# Altium PCB AL1000.PcbDoc (part 4 of 8) (continued)
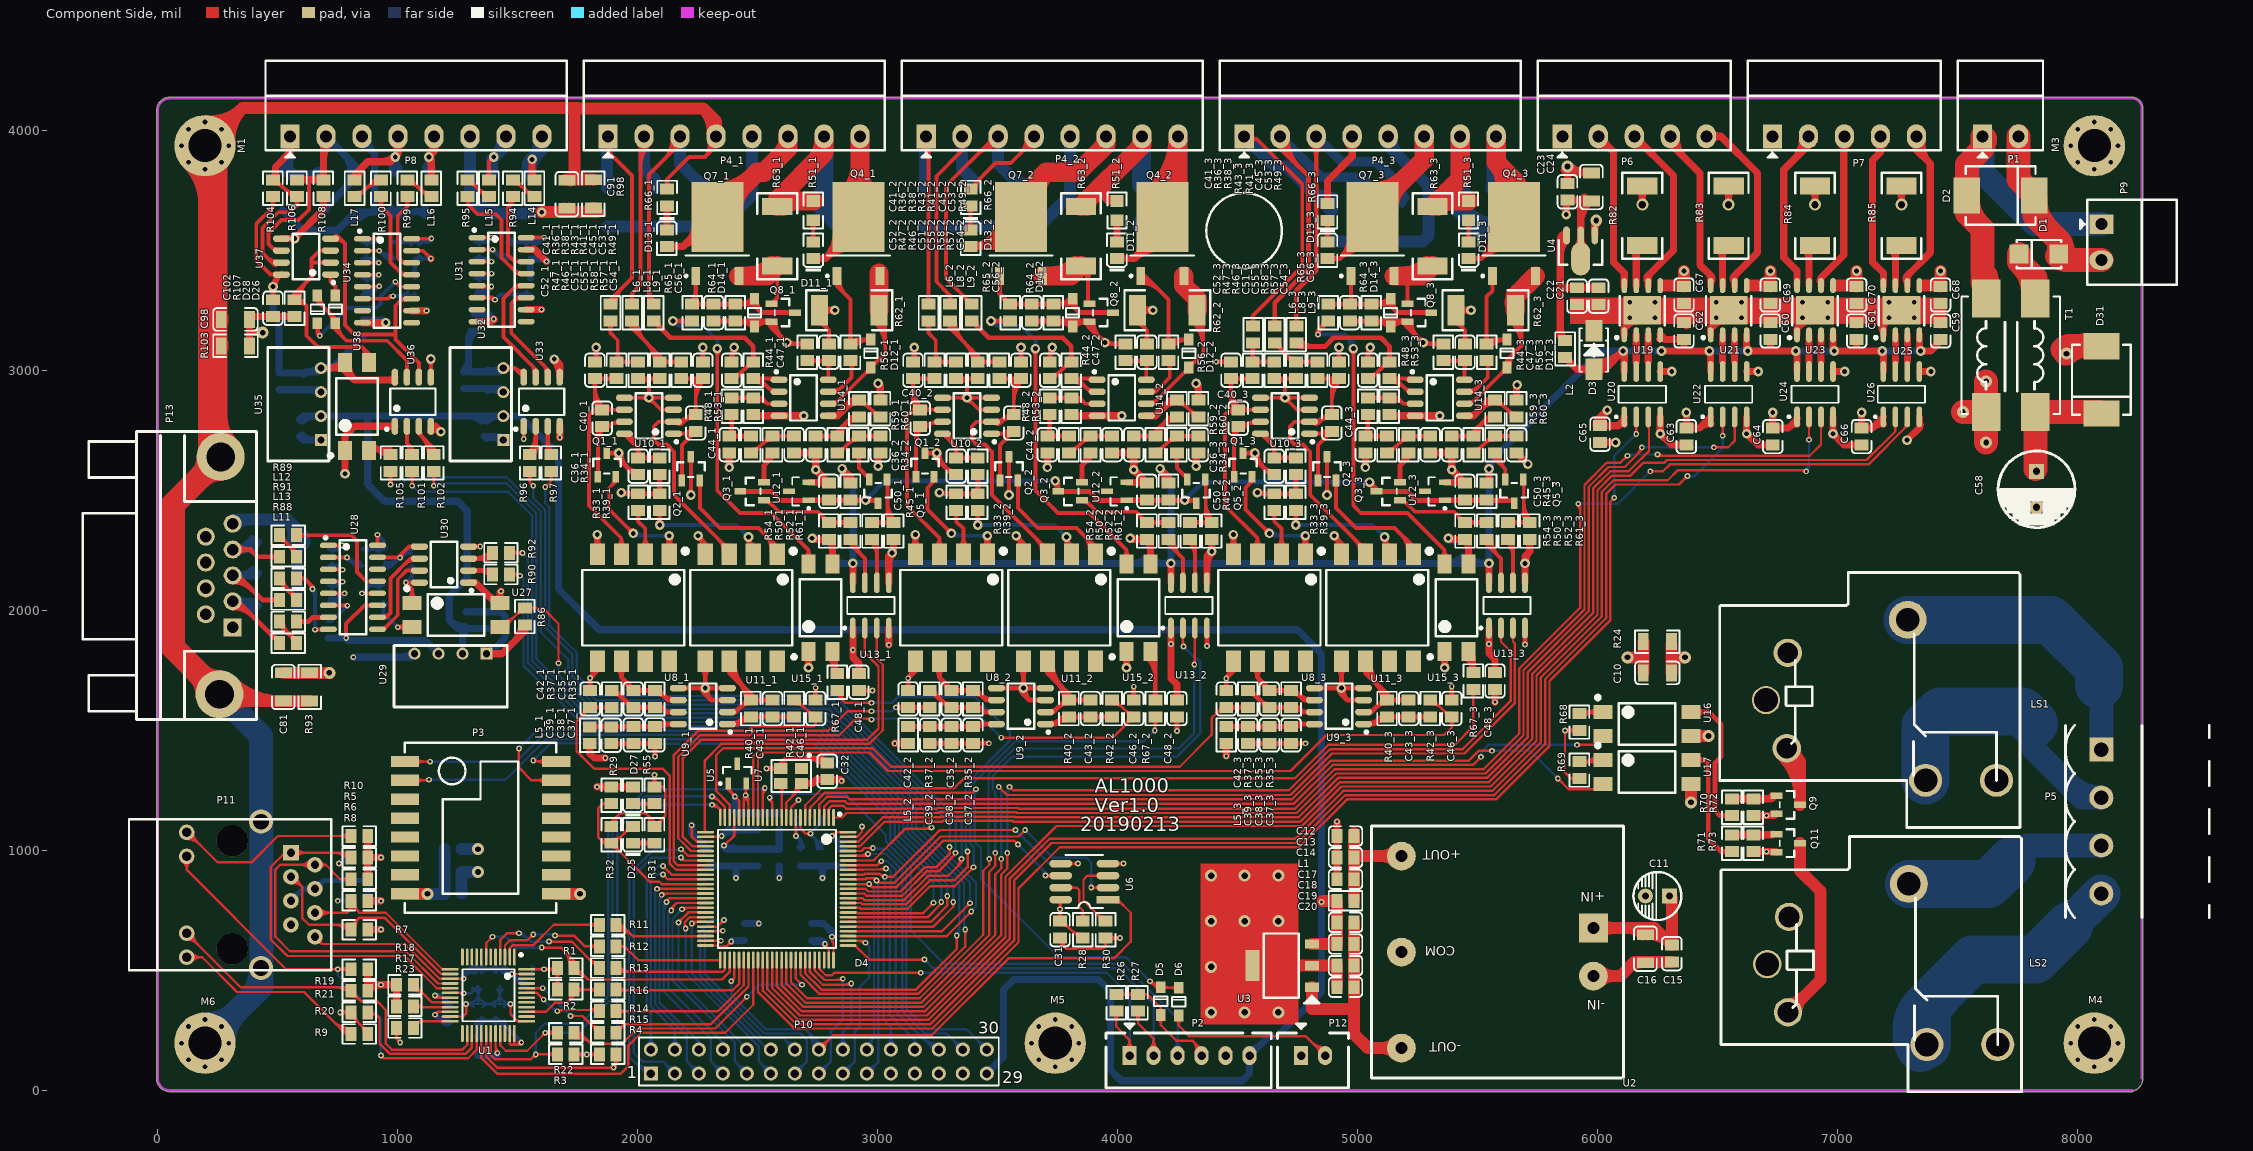
[diagram p0: Component Side view]
## Nets (pads, with @x,y where several pads share a name; then routed paths per layer and width w, separated by ;. In a path a pad name is that pad's centre, name@x,y a point inside that pad or via, vN(x,y) a via of type N, cw(c..) or ccw(c..) an arc to the next point about the centre after c; other vN are vias at no path point) (continued)
NetC44_1_1: C44_1.1 C45_1.2 R41_1.1 U10_1.2 U11_1.3 | length 1881.3
  Component Side w16: 2113.43,2786.42 cw(c2113.43,2772.33) U10_1.2@2123.39,2782.29 ; 2113.62,2786.42 ccw(c2113.62,2800.24) U10_1.2@2123.39,2790.46 ; U10_1.2@2170.79,2776.16 ccw(c2170.79,2802.14) 2189.16,2783.77 ; U10_1.2@2170.79,2792.16 ccw(c2170.79,2856.77) C44_1.1@2216.48,2811.08 ; U10_1.2@2174.87,2782.29 cw(c2184.74,2772.43) 2184.74,2786.38 cw(c2184.74,2800.33) U10_1.2@2174.87,2790.46 ; R41_1.1@2181.77,2966.38 2236.77,2966.38 ; 2191.85,2796.86 cw(c2218.19,2751.24) C44_1.1@2231.83,2802.13 ; R41_1.1@2198.36,2955.89 cw(c2223.69,2930.56) 2223.69,2966.38 cw(c2223.69,3002.19) R41_1.1@2198.36,2976.87 ; 2212.52,2808.8 ccw(c2203.05,2825.2) C44_1.1@2221.34,2820.3 ; C44_1.1@2231.28,2826.95 ccw(c2205.96,2852.27) 2241.77,2852.27 ccw(c2277.59,2852.27) C44_1.1@2252.26,2826.95 ; C44_1.1@2234.28,2801.69 ccw(c2229.3,2748.86) 2191.77,2786.38 ; 2241.77,2872.87 cw(c2359.18,2872.87) C45_1.2@2276.16,2955.89 ; 2241.77,2911.5 cw(c2320.55,2911.5) C45_1.2@2264.85,2967.2 ; 2241.77,2950.13 cw(c2281.92,2950.13) C45_1.2@2253.53,2978.52 ; C45_1.2@2255.18,2955.89 ccw(c2229.86,2930.56) 2229.86,2966.38 ccw(c2229.86,3002.19) C45_1.2@2255.18,2976.87 ; C45_1.2@2271.77,2966.38 2236.77,2966.38 ; 2339.02,2294.13 cw(c2292.52,2247.64) U11_1.3@2358.28,2247.64 ; 2348.05,2285.1 ccw(c2381.77,2318.83) U11_1.3@2381.77,2271.13 ; U11_1.3@2381.77,2233.86 U11_1.3@2381.77,2251.38 ; U11_1.3@2381.77,2271.38 U11_1.3@2381.77,2251.38 ; 2191.77,2786.38 2221.85,2816.46 C44_1.1@2241.77,2816.46 2241.77,2961.38 2236.77,2966.38 ; 2191.77,2786.38 U10_1.2@2149.13,2786.38 2149.09,2786.42 2086.81,2786.42 2066.77,2766.38 2066.77,2711.38 2086.77,2691.38 2121.77,2691.38 2151.77,2661.38 2151.77,2481.38 U11_1.3@2381.77,2251.38 ; 2236.77,2966.38 cw(c2236.77,2945.65) 2253.61,2957.73 ccw(c2236.77,2945.65) 2236.77,2966.38 ; 2236.77,2966.38 ccw(c2236.77,2987.1) 2253.61,2975.02 cw(c2236.77,2987.1) 2236.77,2966.38
NetC44_1_2: C44_1.2 Q2_1.1 U10_1.1 | length 505.2
  Component Side w16: U10_1.1@2134.13,2736.42 U10_1.1@2149.13,2736.42 ; U10_1.1@2149.13,2736.38 C44_1.2@2231.77,2736.38 ; U10_1.1@2174.87,2732.29 cw(c2184.74,2722.43) 2184.74,2736.38 cw(c2184.74,2750.33) U10_1.1@2174.87,2740.46 ; U10_1.1@2175.71,2736.38 ccw(c2175.71,2806.33) C44_1.2@2225.18,2756.87 ; Q2_1.1@2180.28,2557.12 ccw(c2170.42,2566.98) 2184.37,2566.98 ccw(c2198.32,2566.98) Q2_1.1@2188.46,2557.12 ; Q2_1.1@2184.37,2542.2 2184.37,2688.98 C44_1.2@2231.77,2736.38 ; 2206.03,2710.64 ccw(c2170.29,2746.38) C44_1.2@2220.83,2746.38 ; C44_1.2@2214.34,2736.38 ccw(c2214.34,2767.71) C44_1.2@2236.49,2745.55 ; C44_1.2@2220.76,2725.37 cw(c2235.67,2710.46) C44_1.2@2235.67,2731.54 ; C44_1.2@2241.77,2746.38 C44_1.2@2231.77,2736.38
NetC44_2_1: C44_2.1 C45_2.2 R41_2.1 U10_2.2 U11_2.3 | length 1881.3
  Component Side w16: 3439.02,2786.42 cw(c3439.02,2772.33) U10_2.2@3448.98,2782.29 ; 3439.21,2786.42 ccw(c3439.21,2800.24) U10_2.2@3448.98,2790.46 ; U10_2.2@3496.38,2776.16 ccw(c3496.38,2802.14) 3514.75,2783.77 ; U10_2.2@3496.38,2792.16 ccw(c3496.38,2856.77) C44_2.1@3542.07,2811.08 ; U10_2.2@3500.46,2782.29 cw(c3510.33,2772.43) 3510.33,2786.38 cw(c3510.33,2800.33) U10_2.2@3500.46,2790.46 ; R41_2.1@3507.36,2966.38 3562.36,2966.38 ; 3517.44,2796.86 cw(c3543.78,2751.24) C44_2.1@3557.42,2802.13 ; R41_2.1@3523.95,2955.89 cw(c3549.28,2930.56) 3549.28,2966.38 cw(c3549.28,3002.19) R41_2.1@3523.95,2976.87 ; 3538.11,2808.8 ccw(c3528.64,2825.2) C44_2.1@3546.93,2820.3 ; C44_2.1@3556.87,2826.95 ccw(c3531.55,2852.27) 3567.36,2852.27 ccw(c3603.18,2852.27) C44_2.1@3577.85,2826.95 ; C44_2.1@3559.87,2801.69 ccw(c3554.89,2748.86) 3517.36,2786.38 ; 3567.36,2872.87 cw(c3684.77,2872.87) C45_2.2@3601.75,2955.89 ; 3567.36,2911.5 cw(c3646.14,2911.5) C45_2.2@3590.44,2967.2 ; 3567.36,2950.13 cw(c3607.51,2950.13) C45_2.2@3579.12,2978.52 ; C45_2.2@3580.77,2955.89 ccw(c3555.45,2930.56) 3555.45,2966.38 ccw(c3555.45,3002.19) C45_2.2@3580.77,2976.87 ; C45_2.2@3597.36,2966.38 3562.36,2966.38 ; 3664.61,2294.13 cw(c3618.11,2247.64) U11_2.3@3683.87,2247.64 ; 3673.64,2285.1 ccw(c3707.36,2318.83) U11_2.3@3707.36,2271.13 ; U11_2.3@3707.36,2233.86 U11_2.3@3707.36,2251.38 ; U11_2.3@3707.36,2271.38 U11_2.3@3707.36,2251.38 ; 3517.36,2786.38 U10_2.2@3474.72,2786.38 3474.69,2786.42 3412.4,2786.42 3392.36,2766.38 3392.36,2711.38 3412.36,2691.38 3447.36,2691.38 3477.36,2661.38 3477.36,2481.38 U11_2.3@3707.36,2251.38 ; 3517.36,2786.38 3547.44,2816.46 C44_2.1@3567.36,2816.46 3567.36,2961.38 3562.36,2966.38 ; 3562.36,2966.38 cw(c3562.36,2945.65) 3579.21,2957.73 ccw(c3562.36,2945.65) 3562.36,2966.38 ; 3562.36,2966.38 ccw(c3562.36,2987.1) 3579.21,2975.02 cw(c3562.36,2987.1) 3562.36,2966.38
NetC44_2_2: C44_2.2 Q2_2.1 U10_2.1 | length 505.2
  Component Side w16: U10_2.1@3459.72,2736.42 U10_2.1@3474.72,2736.42 ; U10_2.1@3474.72,2736.38 C44_2.2@3557.36,2736.38 ; U10_2.1@3500.46,2732.29 cw(c3510.33,2722.43) 3510.33,2736.38 cw(c3510.33,2750.33) U10_2.1@3500.46,2740.46 ; U10_2.1@3501.3,2736.38 ccw(c3501.3,2806.33) C44_2.2@3550.77,2756.87 ; Q2_2.1@3505.87,2557.12 ccw(c3496.01,2566.98) 3509.96,2566.98 ccw(c3523.91,2566.98) Q2_2.1@3514.05,2557.12 ; Q2_2.1@3509.96,2542.2 3509.96,2688.98 C44_2.2@3557.36,2736.38 ; 3531.62,2710.64 ccw(c3495.88,2746.38) C44_2.2@3546.43,2746.38 ; C44_2.2@3539.93,2736.38 ccw(c3539.93,2767.71) C44_2.2@3562.08,2745.55 ; C44_2.2@3546.35,2725.37 cw(c3561.26,2710.46) C44_2.2@3561.26,2731.54 ; C44_2.2@3567.36,2746.38 C44_2.2@3557.36,2736.38
NetC44_3_1: C44_3.1 C45_3.2 R41_3.1 U10_3.2 U11_3.3 | length 1881.3
  Component Side w16: 4764.61,2786.42 cw(c4764.61,2772.33) U10_3.2@4774.57,2782.29 ; 4764.8,2786.42 ccw(c4764.8,2800.24) U10_3.2@4774.57,2790.46 ; U10_3.2@4821.97,2776.16 ccw(c4821.97,2802.14) 4840.34,2783.77 ; U10_3.2@4821.97,2792.16 ccw(c4821.97,2856.77) C44_3.1@4867.66,2811.08 ; U10_3.2@4826.06,2782.29 cw(c4835.92,2772.43) 4835.92,2786.38 cw(c4835.92,2800.33) U10_3.2@4826.06,2790.46 ; R41_3.1@4832.95,2966.38 4887.95,2966.38 ; 4843.03,2796.86 cw(c4869.37,2751.24) C44_3.1@4883.01,2802.13 ; R41_3.1@4849.54,2955.89 cw(c4874.87,2930.56) 4874.87,2966.38 cw(c4874.87,3002.19) R41_3.1@4849.54,2976.87 ; 4863.7,2808.8 ccw(c4854.23,2825.2) C44_3.1@4872.52,2820.3 ; C44_3.1@4882.46,2826.95 ccw(c4857.14,2852.27) 4892.95,2852.27 ccw(c4928.77,2852.27) C44_3.1@4903.44,2826.95 ; C44_3.1@4885.46,2801.69 ccw(c4880.48,2748.86) 4842.95,2786.38 ; 4892.95,2872.87 cw(c5010.36,2872.87) C45_3.2@4927.34,2955.89 ; 4892.95,2911.5 cw(c4971.73,2911.5) C45_3.2@4916.03,2967.2 ; 4892.95,2950.13 cw(c4933.1,2950.13) C45_3.2@4904.71,2978.52 ; C45_3.2@4906.36,2955.89 ccw(c4881.04,2930.56) 4881.04,2966.38 ccw(c4881.04,3002.19) C45_3.2@4906.36,2976.87 ; C45_3.2@4922.95,2966.38 4887.95,2966.38 ; 4990.2,2294.13 cw(c4943.7,2247.64) U11_3.3@5009.46,2247.64 ; 4999.23,2285.1 ccw(c5032.95,2318.83) U11_3.3@5032.95,2271.13 ; U11_3.3@5032.95,2233.86 U11_3.3@5032.95,2251.38 ; U11_3.3@5032.95,2271.38 U11_3.3@5032.95,2251.38 ; 4842.95,2786.38 U10_3.2@4800.32,2786.38 4800.28,2786.42 4737.99,2786.42 4717.95,2766.38 4717.95,2711.38 4737.95,2691.38 4772.95,2691.38 4802.95,2661.38 4802.95,2481.38 U11_3.3@5032.95,2251.38 ; 4842.95,2786.38 4873.03,2816.46 C44_3.1@4892.95,2816.46 4892.95,2961.38 4887.95,2966.38 ; 4887.95,2966.38 cw(c4887.95,2945.65) 4904.8,2957.73 ccw(c4887.95,2945.65) 4887.95,2966.38 ; 4887.95,2966.38 ccw(c4887.95,2987.1) 4904.8,2975.02 cw(c4887.95,2987.1) 4887.95,2966.38
NetC44_3_2: C44_3.2 Q2_3.1 U10_3.1 | length 505.2
  Component Side w16: U10_3.1@4785.32,2736.42 U10_3.1@4800.32,2736.42 ; U10_3.1@4800.32,2736.38 C44_3.2@4882.95,2736.38 ; U10_3.1@4826.06,2732.29 cw(c4835.92,2722.43) 4835.92,2736.38 cw(c4835.92,2750.33) U10_3.1@4826.06,2740.46 ; U10_3.1@4826.89,2736.38 ccw(c4826.89,2806.33) C44_3.2@4876.36,2756.87 ; Q2_3.1@4831.46,2557.12 ccw(c4821.6,2566.98) 4835.55,2566.98 ccw(c4849.5,2566.98) Q2_3.1@4839.64,2557.12 ; Q2_3.1@4835.55,2542.2 4835.55,2688.98 C44_3.2@4882.95,2736.38 ; 4857.21,2710.64 ccw(c4821.47,2746.38) C44_3.2@4872.02,2746.38 ; C44_3.2@4865.52,2736.38 ccw(c4865.52,2767.71) C44_3.2@4887.67,2745.55 ; C44_3.2@4871.94,2725.37 cw(c4886.85,2710.46) C44_3.2@4886.85,2731.54 ; C44_3.2@4892.95,2746.38 C44_3.2@4882.95,2736.38
NetC46_2_2: C46_2.2 D4.29 R42_2.2 | length 2939.1
  Component Side w10: D4.29@2282.76,1017.17 2228.29,1017.17 2223,1022.46 2223,1022.81 2197.81,1048 2197.46,1048 2187,1058.46 2187,1382.46 2266.54,1462 2474.82,1462 2492.82,1480 2840,1480 2910,1550 2970,1550 v1(2975,1545) ; 2946.03,1550 cw(c2946.03,1516.03) v1@2970.05,1540.05 ; v1(3515,1470) 3980.98,1470 C46_2.2@4067.36,1556.38 4059.67,1556.38 3989.59,1626.46 R42_2.2@3977.36,1626.46 ; v1@3519.95,1465.05 cw(c3531.9,1453.1) 3531.9,1470 cw(c3531.9,1486.9) v1@3519.95,1474.95 ; R42_2.2@3983.46,1608.62 cw(c3983.46,1550.78) 4024.37,1591.68 ; R42_2.2@3983.46,1618.62 cw(c3983.46,1584.92) 4007.3,1608.75 ; R42_2.2@4001.3,1626.46 ccw(c4029.57,1626.46) 4009.58,1606.47 ; 4026.5,1515.52 ccw(c3985.64,1556.38) 4043.43,1556.38 ccw(c4004.21,1556.38) 4031.94,1584.11 ; 4028.1,1587.95 ccw(c4061.26,1621.11) C46_2.2@4061.26,1574.21 ; 4041.23,1530.25 cw(c4061.26,1510.22) C46_2.2@4061.26,1538.54 ; 4043.57,1532.59 ccw(c4019.78,1556.38) C46_2.2@4053.43,1556.38
  Solder Side w10: v1@2975,1550 3435,1550 v1(3515,1470) ; v1@2979.95,1540.05 cw(c3003.97,1516.03) 3003.97,1550 ; v1@3508,1470 ccw(c3491.1,1470) 3503.05,1481.95 ccw(c3515,1493.9) v1@3515,1477
NetC47_1_2: C47_1.2 R44_1.2 U14_1.8 | length 370.2
  Component Side w16: R44_1.2@2696.77,3041.34 R44_1.2@2706.77,3041.34 2709.13,3038.98 C47_1.2@2794.13,3038.98 ; R44_1.2@2723.36,3030.85 cw(c2742.99,3011.23) 2742.99,3038.98 ; R44_1.2@2723.36,3051.83 ccw(c2754.39,3082.86) 2754.39,3038.98 ; 2749.15,3038.98 ccw(c2749.15,3082.86) C47_1.2@2780.18,3051.83 ; 2760.56,3038.98 cw(c2760.56,3011.23) C47_1.2@2780.18,3030.85 ; C47_1.2@2786.28,3030.85 cw(c2767.33,3011.89) 2794.13,3011.89 ; U14_1.8@2790.05,2965.46 ccw(c2780.18,2975.33) 2794.13,2975.33 ccw(c2808.09,2975.33) U14_1.8@2798.22,2965.46 ; U14_1.8@2794.13,2961.38 C47_1.2@2794.13,3038.98 ; 2794.13,2999.16 cw(c2838.95,2999.16) C47_1.2@2807.26,3030.85 ; C47_1.2@2796.77,3041.34 2794.41,3038.98 C47_1.2@2794.13,3038.98
NetC47_2_2: C47_2.2 R44_2.2 U14_2.8 | length 370.2
  Component Side w16: R44_2.2@4022.36,3041.34 R44_2.2@4032.36,3041.34 4034.72,3038.98 C47_2.2@4119.72,3038.98 ; R44_2.2@4048.95,3030.85 cw(c4068.58,3011.23) 4068.58,3038.98 ; R44_2.2@4048.95,3051.83 ccw(c4079.98,3082.86) 4079.98,3038.98 ; 4074.74,3038.98 ccw(c4074.74,3082.86) C47_2.2@4105.77,3051.83 ; 4086.15,3038.98 cw(c4086.15,3011.23) C47_2.2@4105.77,3030.85 ; C47_2.2@4111.87,3030.85 cw(c4092.92,3011.89) 4119.72,3011.89 ; U14_2.8@4115.64,2965.46 ccw(c4105.77,2975.33) 4119.72,2975.33 ccw(c4133.68,2975.33) U14_2.8@4123.81,2965.46 ; U14_2.8@4119.72,2961.38 C47_2.2@4119.72,3038.98 ; 4119.72,2999.16 cw(c4164.54,2999.16) C47_2.2@4132.85,3030.85 ; C47_2.2@4122.36,3041.34 4120,3038.98 C47_2.2@4119.72,3038.98
NetC47_3_2: C47_3.2 R44_3.2 U14_3.8 | length 370.2
  Component Side w16: R44_3.2@5347.95,3041.34 R44_3.2@5357.95,3041.34 5360.32,3038.98 C47_3.2@5445.32,3038.98 ; R44_3.2@5374.54,3030.85 cw(c5394.17,3011.23) 5394.17,3038.98 ; R44_3.2@5374.54,3051.83 ccw(c5405.57,3082.86) 5405.57,3038.98 ; 5400.33,3038.98 ccw(c5400.33,3082.86) C47_3.2@5431.36,3051.83 ; 5411.74,3038.98 cw(c5411.74,3011.23) C47_3.2@5431.36,3030.85 ; C47_3.2@5437.46,3030.85 cw(c5418.51,3011.89) 5445.32,3011.89 ; U14_3.8@5441.23,2965.46 ccw(c5431.36,2975.33) 5445.32,2975.33 ccw(c5459.27,2975.33) U14_3.8@5449.4,2965.46 ; U14_3.8@5445.32,2961.38 C47_3.2@5445.32,3038.98 ; 5445.32,2999.16 cw(c5490.14,2999.16) C47_3.2@5458.44,3030.85 ; C47_3.2@5447.95,3041.34 5445.59,3038.98 C47_3.2@5445.32,3038.98
NetC51_1_2: C51_1.2 R46_1.1 R47_1.2 | length 434.1
  Component Side w16: R47_1.2@2471.77,2656.34 2481.73,2656.34 2551.81,2726.42 R46_1.1@2561.77,2726.42 C51_1.2@2651.77,2726.42 ; R47_1.2@2477.87,2671.17 ccw(c2477.87,2716.3) 2509.78,2684.39 ; R47_1.2@2492.71,2656.34 cw(c2519.21,2656.34) R47_1.2@2500.47,2675.08 ; 2523.76,2698.36 cw(c2555.67,2666.45) R46_1.1@2555.67,2711.58 ; R46_1.1@2533.07,2707.68 ccw(c2514.34,2726.42) R46_1.1@2540.83,2726.42 ; R46_1.1@2578.36,2715.93 cw(c2603.69,2690.6) 2603.69,2726.42 cw(c2603.69,2762.23) R46_1.1@2578.36,2736.91 ; C51_1.2@2635.18,2715.93 ccw(c2609.86,2690.6) 2609.86,2726.42 ccw(c2609.86,2762.23) C51_1.2@2635.18,2736.91
NetC51_2_2: C51_2.2 R46_2.1 R47_2.2 | length 434.1
  Component Side w16: R47_2.2@3797.36,2656.34 3807.32,2656.34 3877.4,2726.42 R46_2.1@3887.36,2726.42 C51_2.2@3977.36,2726.42 ; R47_2.2@3803.46,2671.17 ccw(c3803.46,2716.3) 3835.38,2684.39 ; R47_2.2@3818.3,2656.34 cw(c3844.8,2656.34) R47_2.2@3826.06,2675.08 ; 3849.35,2698.36 cw(c3881.26,2666.45) R46_2.1@3881.26,2711.58 ; R46_2.1@3858.66,2707.68 ccw(c3839.93,2726.42) R46_2.1@3866.43,2726.42 ; R46_2.1@3903.95,2715.93 cw(c3929.28,2690.6) 3929.28,2726.42 cw(c3929.28,2762.23) R46_2.1@3903.95,2736.91 ; C51_2.2@3960.77,2715.93 ccw(c3935.45,2690.6) 3935.45,2726.42 ccw(c3935.45,2762.23) C51_2.2@3960.77,2736.91
NetC51_3_2: C51_3.2 R46_3.1 R47_3.2 | length 434.1
  Component Side w16: R47_3.2@5122.95,2656.34 5132.91,2656.34 5202.99,2726.42 R46_3.1@5212.95,2726.42 C51_3.2@5302.95,2726.42 ; R47_3.2@5129.06,2671.17 ccw(c5129.06,2716.3) 5160.97,2684.39 ; R47_3.2@5143.89,2656.34 cw(c5170.39,2656.34) R47_3.2@5151.65,2675.08 ; 5174.94,2698.36 cw(c5206.85,2666.45) R46_3.1@5206.85,2711.58 ; R46_3.1@5184.25,2707.68 ccw(c5165.52,2726.42) R46_3.1@5192.02,2726.42 ; R46_3.1@5229.54,2715.93 cw(c5254.87,2690.6) 5254.87,2726.42 cw(c5254.87,2762.23) R46_3.1@5229.54,2736.91 ; C51_3.2@5286.36,2715.93 ccw(c5261.04,2690.6) 5261.04,2726.42 ccw(c5261.04,2762.23) C51_3.2@5286.36,2736.91
NetC52_1_2: C52_1.2 R47_1.1 R48_1.2 | length 374.9
  Component Side w20: C52_1.2@2378.8,2735.49 ccw(c2347.48,2766.81) 2391.77,2766.81 ; R48_1.2@2382.7,2807.3 cw(c2360.79,2785.39) 2391.77,2785.39 cw(c2422.76,2785.39) R48_1.2@2400.85,2807.3 ; R48_1.2@2391.77,2816.38 C52_1.2@2391.77,2736.42 ; C52_1.2@2396.95,2717.34 cw(c2418.86,2695.43) 2418.86,2726.42 cw(c2418.86,2757.4) C52_1.2@2396.95,2735.49 ; R47_1.1@2456.59,2717.34 ccw(c2434.68,2695.43) 2434.68,2726.42 ccw(c2434.68,2757.4) R47_1.1@2456.59,2735.49 ; R47_1.1@2471.77,2726.42 C52_1.2@2391.77,2726.42 ; C52_1.2@2391.77,2726.42 C52_1.2@2391.77,2736.42 ; C52_1.2@2391.77,2726.42 C52_1.2@2381.77,2726.42 C52_1.2@2391.77,2736.42
NetC52_2_2: C52_2.2 R47_2.1 R48_2.2 | length 374.9
  Component Side w20: C52_2.2@3704.39,2735.49 ccw(c3673.07,2766.81) 3717.36,2766.81 ; R48_2.2@3708.29,2807.3 cw(c3686.38,2785.39) 3717.36,2785.39 cw(c3748.35,2785.39) R48_2.2@3726.44,2807.3 ; R48_2.2@3717.36,2816.38 C52_2.2@3717.36,2736.42 ; C52_2.2@3722.54,2717.34 cw(c3744.45,2695.43) 3744.45,2726.42 cw(c3744.45,2757.4) C52_2.2@3722.54,2735.49 ; R47_2.1@3782.18,2717.34 ccw(c3760.27,2695.43) 3760.27,2726.42 ccw(c3760.27,2757.4) R47_2.1@3782.18,2735.49 ; R47_2.1@3797.36,2726.42 C52_2.2@3717.36,2726.42 ; C52_2.2@3717.36,2726.42 C52_2.2@3717.36,2736.42 ; C52_2.2@3717.36,2726.42 C52_2.2@3707.36,2726.42 C52_2.2@3717.36,2736.42
NetC52_3_2: C52_3.2 R47_3.1 R48_3.2 | length 374.9
  Component Side w20: C52_3.2@5029.98,2735.49 ccw(c4998.66,2766.81) 5042.95,2766.81 ; R48_3.2@5033.88,2807.3 cw(c5011.97,2785.39) 5042.95,2785.39 cw(c5073.94,2785.39) R48_3.2@5052.03,2807.3 ; R48_3.2@5042.95,2816.38 C52_3.2@5042.95,2736.42 ; C52_3.2@5048.13,2717.34 cw(c5070.04,2695.43) 5070.04,2726.42 cw(c5070.04,2757.4) C52_3.2@5048.13,2735.49 ; R47_3.1@5107.78,2717.34 ccw(c5085.86,2695.43) 5085.86,2726.42 ccw(c5085.86,2757.4) R47_3.1@5107.78,2735.49 ; R47_3.1@5122.95,2726.42 C52_3.2@5042.95,2726.42 ; C52_3.2@5042.95,2726.42 C52_3.2@5042.95,2736.42 ; C52_3.2@5042.95,2726.42 C52_3.2@5032.95,2726.42 C52_3.2@5042.95,2736.42
NetC53_1_2: C53_1.2 L9_1.2 R49_1.1 | length 824
  Component Side w16: C53_1.2@2391.77,2971.34 2411.69,2971.34 2434.83,2994.48 ; C53_1.2@2398.96,2981.13 ccw(c2402.32,3026.99) 2434.83,2994.48 ; 2449.57,3009.21 ccw(c2422.36,3036.42) R49_1.1@2460.83,3036.42 ; 2452.23,3011.87 cw(c2475.67,2988.43) R49_1.1@2475.67,3021.58 ; R49_1.1@2481.77,3041.42 2447.53,3007.17 2445.38,3007.17 2434.83,2996.63 2434.83,2994.48
  Component Side w20: L9_1.2@2066.77,3206.34 2136.73,3136.38 2446.77,3136.38 2481.77,3101.38 2481.77,3041.42 R49_1.1@2481.77,3036.42 ; L9_1.2@2085.71,3206.34 ccw(c2131.43,3206.34) 2099.1,3174.01 ; R49_1.1@2472.7,3045.49 ccw(c2450.79,3067.4) 2481.77,3067.4 ccw(c2512.76,3067.4) R49_1.1@2490.85,3045.49
NetC53_2_2: C53_2.2 L9_2.2 R49_2.1 | length 824
  Component Side w16: C53_2.2@3717.36,2971.34 3737.28,2971.34 3760.43,2994.48 ; C53_2.2@3724.55,2981.13 ccw(c3727.91,3026.99) 3760.42,2994.48 ; 3775.16,3009.21 ccw(c3747.95,3036.42) R49_2.1@3786.43,3036.42 ; 3777.82,3011.87 cw(c3801.26,2988.43) R49_2.1@3801.26,3021.58 ; R49_2.1@3807.36,3041.42 3773.12,3007.17 3770.97,3007.17 3760.43,2996.63 3760.43,2994.48
  Component Side w20: L9_2.2@3392.36,3206.34 3462.32,3136.38 3772.36,3136.38 3807.36,3101.38 3807.36,3041.42 R49_2.1@3807.36,3036.42 ; L9_2.2@3411.3,3206.34 ccw(c3457.02,3206.34) 3424.69,3174.01 ; R49_2.1@3798.29,3045.49 ccw(c3776.38,3067.4) 3807.36,3067.4 ccw(c3838.35,3067.4) R49_2.1@3816.44,3045.49
NetC53_3_2: C53_3.2 L9_3.2 R49_3.1 | length 844.4
  Component Side w16: C53_3.2@5042.95,2971.34 5062.87,2971.34 5086.02,2994.48 ; C53_3.2@5050.14,2981.13 ccw(c5053.5,3026.99) 5086.01,2994.48 ; 5100.75,3009.21 ccw(c5073.54,3036.42) R49_3.1@5112.02,3036.42 ; 5103.41,3011.87 cw(c5126.85,2988.43) R49_3.1@5126.85,3021.58 ; R49_3.1@5132.95,3041.42 5098.71,3007.17 5096.56,3007.17 5086.02,2996.63 5086.02,2994.48
  Component Side w20: L9_3.2@4745,3114.96 4759.96,3100 4863.62,3100 4900,3136.38 5097.95,3136.38 5132.95,3101.38 5132.95,3041.42 R49_3.1@5132.95,3036.42 ; L9_3.2@4746.04,3109.89 ccw(c4769.92,3133.78) L9_3.2@4769.92,3100 ; L9_3.2@4760.18,3124.04 ccw(c4818.21,3182.06) 4818.21,3100 ; R49_3.1@5123.88,3045.49 ccw(c5101.97,3067.4) 5132.95,3067.4 ccw(c5163.94,3067.4) R49_3.1@5142.03,3045.49
NetC54_1_2: C54_1.2 R57_1.1 R58_1.2 | length 434.1
  Component Side w16: R58_1.2@2831.77,2656.34 2838.92,2656.34 2909,2726.42 R57_1.1@2921.77,2726.42 C54_1.2@3011.77,2726.42 ; R58_1.2@2837.87,2671.17 ccw(c2837.87,2709.51) 2864.98,2682.4 ; R58_1.2@2852.71,2656.34 cw(c2886,2656.34) 2862.46,2679.88 ; 2878.96,2696.38 cw(c2915.67,2659.67) R57_1.1@2915.67,2711.58 ; R57_1.1@2895.06,2712.48 ccw(c2881.12,2726.42) R57_1.1@2900.83,2726.42 ; R57_1.1@2938.36,2715.93 cw(c2963.69,2690.6) 2963.69,2726.42 cw(c2963.69,2762.23) R57_1.1@2938.36,2736.91 ; C54_1.2@2995.18,2715.93 ccw(c2969.86,2690.6) 2969.86,2726.42 ccw(c2969.86,2762.23) C54_1.2@2995.18,2736.91
NetC54_2_2: C54_2.2 R57_2.1 R58_2.2 | length 434.1
  Component Side w16: R58_2.2@4157.36,2656.34 4164.51,2656.34 4234.59,2726.42 R57_2.1@4247.36,2726.42 C54_2.2@4337.36,2726.42 ; R58_2.2@4163.46,2671.17 ccw(c4163.46,2709.51) 4190.58,2682.4 ; R58_2.2@4178.3,2656.34 cw(c4211.59,2656.34) 4188.05,2679.88 ; 4204.55,2696.38 cw(c4241.26,2659.67) R57_2.1@4241.26,2711.58 ; R57_2.1@4220.65,2712.48 ccw(c4206.71,2726.42) R57_2.1@4226.43,2726.42 ; R57_2.1@4263.95,2715.93 cw(c4289.28,2690.6) 4289.28,2726.42 cw(c4289.28,2762.23) R57_2.1@4263.95,2736.91 ; C54_2.2@4320.77,2715.93 ccw(c4295.45,2690.6) 4295.45,2726.42 ccw(c4295.45,2762.23) C54_2.2@4320.77,2736.91
NetC54_3_2: C54_3.2 R57_3.1 R58_3.2 | length 434.1
  Component Side w16: R58_3.2@5482.95,2656.34 5490.1,2656.34 5560.18,2726.42 R57_3.1@5572.95,2726.42 C54_3.2@5662.95,2726.42 ; R58_3.2@5489.06,2671.17 ccw(c5489.06,2709.51) 5516.17,2682.4 ; R58_3.2@5503.89,2656.34 cw(c5537.18,2656.34) 5513.64,2679.88 ; 5530.14,2696.38 cw(c5566.85,2659.67) R57_3.1@5566.85,2711.58 ; R57_3.1@5546.24,2712.48 ccw(c5532.31,2726.42) R57_3.1@5552.02,2726.42 ; R57_3.1@5589.54,2715.93 cw(c5614.87,2690.6) 5614.87,2726.42 cw(c5614.87,2762.23) R57_3.1@5589.54,2736.91 ; C54_3.2@5646.36,2715.93 ccw(c5621.04,2690.6) 5621.04,2726.42 ccw(c5621.04,2762.23) C54_3.2@5646.36,2736.91
NetC55_1_2: C55_1.2 R58_1.1 R59_1.2 | length 605.2
  Component Side w16: C55_1.2@2741.77,2726.42 R58_1.1@2831.77,2726.42 2831.77,2746.38 2891.73,2806.34 ; C55_1.2@2758.36,2715.93 cw(c2783.69,2690.6) 2783.69,2726.42 cw(c2783.69,2762.23) C55_1.2@2758.36,2736.91 ; R58_1.1@2815.18,2715.93 ccw(c2789.86,2690.6) 2789.86,2726.42 ccw(c2789.86,2762.23) R58_1.1@2815.18,2736.91 ; R58_1.1@2836.71,2726.42 cw(c2896.82,2726.42) 2854.31,2768.92 ; 2849.48,2764.09 cw(c2915.67,2697.9) R59_1.2@2915.67,2791.5 ; R58_1.1@2852.71,2726.42 cw(c2951.44,2726.42) 2881.63,2796.23 ; 2876.8,2791.4 cw(c2915.67,2752.53) R59_1.2@2915.67,2807.5 ; R59_1.2@2902.38,2799.74 ccw(c2891.73,2794.45) 2891.73,2806.34 ; R59_1.2@2902.38,2812.94 cw(c2891.73,2818.23) 2891.73,2806.34 ; R59_1.2@2921.77,2806.34 2891.73,2806.34
NetC55_2_2: C55_2.2 R58_2.1 R59_2.2 | length 605.2
  Component Side w16: C55_2.2@4067.36,2726.42 R58_2.1@4157.36,2726.42 4157.36,2746.38 4217.32,2806.34 ; C55_2.2@4083.95,2715.93 cw(c4109.28,2690.6) 4109.28,2726.42 cw(c4109.28,2762.23) C55_2.2@4083.95,2736.91 ; R58_2.1@4140.77,2715.93 ccw(c4115.45,2690.6) 4115.45,2726.42 ccw(c4115.45,2762.23) R58_2.1@4140.77,2736.91 ; R58_2.1@4162.3,2726.42 cw(c4222.41,2726.42) 4179.9,2768.92 ; 4175.07,2764.09 cw(c4241.26,2697.9) R59_2.2@4241.26,2791.5 ; R58_2.1@4178.3,2726.42 cw(c4277.03,2726.42) 4207.22,2796.23 ; 4202.39,2791.4 cw(c4241.26,2752.53) R59_2.2@4241.26,2807.5 ; R59_2.2@4227.97,2799.74 ccw(c4217.32,2794.45) 4217.32,2806.34 ; R59_2.2@4227.97,2812.94 cw(c4217.32,2818.23) 4217.32,2806.34 ; R59_2.2@4247.36,2806.34 4217.32,2806.34
NetC55_3_2: C55_3.2 R58_3.1 R59_3.2 | length 605.2
  Component Side w16: C55_3.2@5392.95,2726.42 R58_3.1@5482.95,2726.42 5482.95,2746.38 5542.91,2806.34 ; C55_3.2@5409.54,2715.93 cw(c5434.87,2690.6) 5434.87,2726.42 cw(c5434.87,2762.23) C55_3.2@5409.54,2736.91 ; R58_3.1@5466.36,2715.93 ccw(c5441.04,2690.6) 5441.04,2726.42 ccw(c5441.04,2762.23) R58_3.1@5466.36,2736.91 ; R58_3.1@5487.89,2726.42 cw(c5548,2726.42) 5505.5,2768.92 ; 5500.66,2764.09 cw(c5566.85,2697.9) R59_3.2@5566.85,2791.5 ; R58_3.1@5503.89,2726.42 cw(c5602.63,2726.42) 5532.81,2796.23 ; 5527.98,2791.4 cw(c5566.85,2752.53) R59_3.2@5566.85,2807.5 ; R59_3.2@5553.57,2799.74 ccw(c5542.91,2794.45) 5542.91,2806.34 ; R59_3.2@5553.57,2812.94 cw(c5542.91,2818.23) 5542.91,2806.34 ; R59_3.2@5572.95,2806.34 5542.91,2806.34
NetC56_1_1: C56_1.1 D14_1.1 Q7_1.1 Q8_1.3 R64_1.1 R65_1.1 | length 1144.9
  Component Side w20: R65_1.1@2223.8,3285.49 ccw(c2179.84,3329.45) 2242.01,3329.45 ; Q7_1.1@2235.86,3369.36 cw(c2221,3354.51) 2242.01,3354.51 cw(c2263.01,3354.51) Q7_1.1@2248.16,3369.36 ; R65_1.1@2241.95,3267.34 cw(c2263.95,3245.34) 2263.95,3276.46 ; R65_1.1@2241.95,3285.49 ccw(c2263.76,3307.31) 2263.76,3276.46 ; Q7_1.1@2242.01,3394.21 2242.01,3291.69 R65_1.1@2226.77,3276.42 C56_1.1@2316.77,3276.46 R64_1.1@2406.77,3276.46 D14_1.1@2481.73,3276.46 ; C56_1.1@2301.59,3267.38 ccw(c2279.68,3245.47) 2279.68,3276.46 ccw(c2279.68,3307.44) C56_1.1@2301.59,3285.53 ; C56_1.1@2331.95,3267.38 cw(c2353.86,3245.47) 2353.86,3276.46 cw(c2353.86,3307.44) C56_1.1@2331.95,3285.53 ; R64_1.1@2391.59,3267.38 ccw(c2369.68,3245.47) 2369.68,3276.46 ccw(c2369.68,3307.44) R64_1.1@2391.59,3285.53 ; R64_1.1@2419.29,3287.57 ccw(c2437.79,3319.61) 2447.36,3283.88 ; R64_1.1@2419.67,3276.46 ccw(c2419.67,3361.67) D14_1.1@2479.92,3301.42 ; R64_1.1@2421.95,3267.38 cw(c2443.86,3245.47) 2443.86,3276.46 cw(c2443.86,3307.44) R64_1.1@2421.95,3285.53 ; R64_1.1@2423.99,3270.04 cw(c2445.62,3257.55) 2439.16,3281.68 ; D14_1.1@2467.95,3276.46 ccw(c2467.95,3313.39) D14_1.1@2494.07,3287.27 ; D14_1.1@2476.47,3295.07 ccw(c2505.19,3293.67) 2484.86,3273.33 ; D14_1.1@2486.77,3299.49 2486.77,3281.5 D14_1.1@2481.73,3276.46 ; D14_1.1@2496.45,3294.09 ccw(c2566.04,3290.69) 2516.77,3241.42 ; Q8_1.3@2655.98,3241.42 2516.77,3241.42 ; D14_1.1@2481.73,3276.46 2516.77,3241.42
NetC56_2_1: C56_2.1 D14_2.1 Q7_2.1 Q8_2.3 R64_2.1 R65_2.1 | length 1144.2
  Component Side w20: Q7_2.1@3501.45,3369.36 cw(c3486.59,3354.51) 3507.6,3354.51 cw(c3528.6,3354.51) Q7_2.1@3513.75,3369.36 ; Q7_2.1@3507.6,3394.21 3507.6,3321.18 R65_2.1@3552.36,3276.42 C56_2.1@3642.36,3276.46 R64_2.1@3732.36,3276.46 D14_2.1@3807.32,3276.46 ; 3520.03,3308.74 cw(c3487.71,3276.42) R65_2.1@3533.43,3276.42 ; R65_2.1@3567.54,3267.34 cw(c3589.55,3245.34) 3589.55,3276.46 ; R65_2.1@3567.54,3285.49 ccw(c3589.36,3307.31) 3589.36,3276.46 ; C56_2.1@3627.18,3267.38 ccw(c3605.27,3245.47) 3605.27,3276.46 ccw(c3605.27,3307.44) C56_2.1@3627.18,3285.53 ; C56_2.1@3657.54,3267.38 cw(c3679.45,3245.47) 3679.45,3276.46 cw(c3679.45,3307.44) C56_2.1@3657.54,3285.53 ; R64_2.1@3717.18,3267.38 ccw(c3695.27,3245.47) 3695.27,3276.46 ccw(c3695.27,3307.44) R64_2.1@3717.18,3285.53 ; R64_2.1@3744.88,3287.57 ccw(c3763.38,3319.61) 3772.95,3283.88 ; R64_2.1@3745.26,3276.46 ccw(c3745.26,3361.67) D14_2.1@3805.51,3301.42 ; R64_2.1@3747.54,3267.38 cw(c3769.45,3245.47) 3769.45,3276.46 cw(c3769.45,3307.44) R64_2.1@3747.54,3285.53 ; R64_2.1@3749.58,3270.04 cw(c3771.21,3257.55) 3764.75,3281.68 ; D14_2.1@3793.54,3276.46 ccw(c3793.54,3313.39) D14_2.1@3819.66,3287.27 ; D14_2.1@3802.06,3295.07 ccw(c3830.78,3293.67) 3810.45,3273.33 ; D14_2.1@3812.36,3299.49 3812.36,3281.5 D14_2.1@3807.32,3276.46 ; D14_2.1@3822.04,3294.09 ccw(c3891.63,3290.69) 3842.36,3241.42 ; Q8_2.3@3981.57,3241.42 3842.36,3241.42 ; D14_2.1@3807.32,3276.46 3842.36,3241.42